# Altium PCB PCB_CAR.PcbDoc (part 1 of 3) (continued)
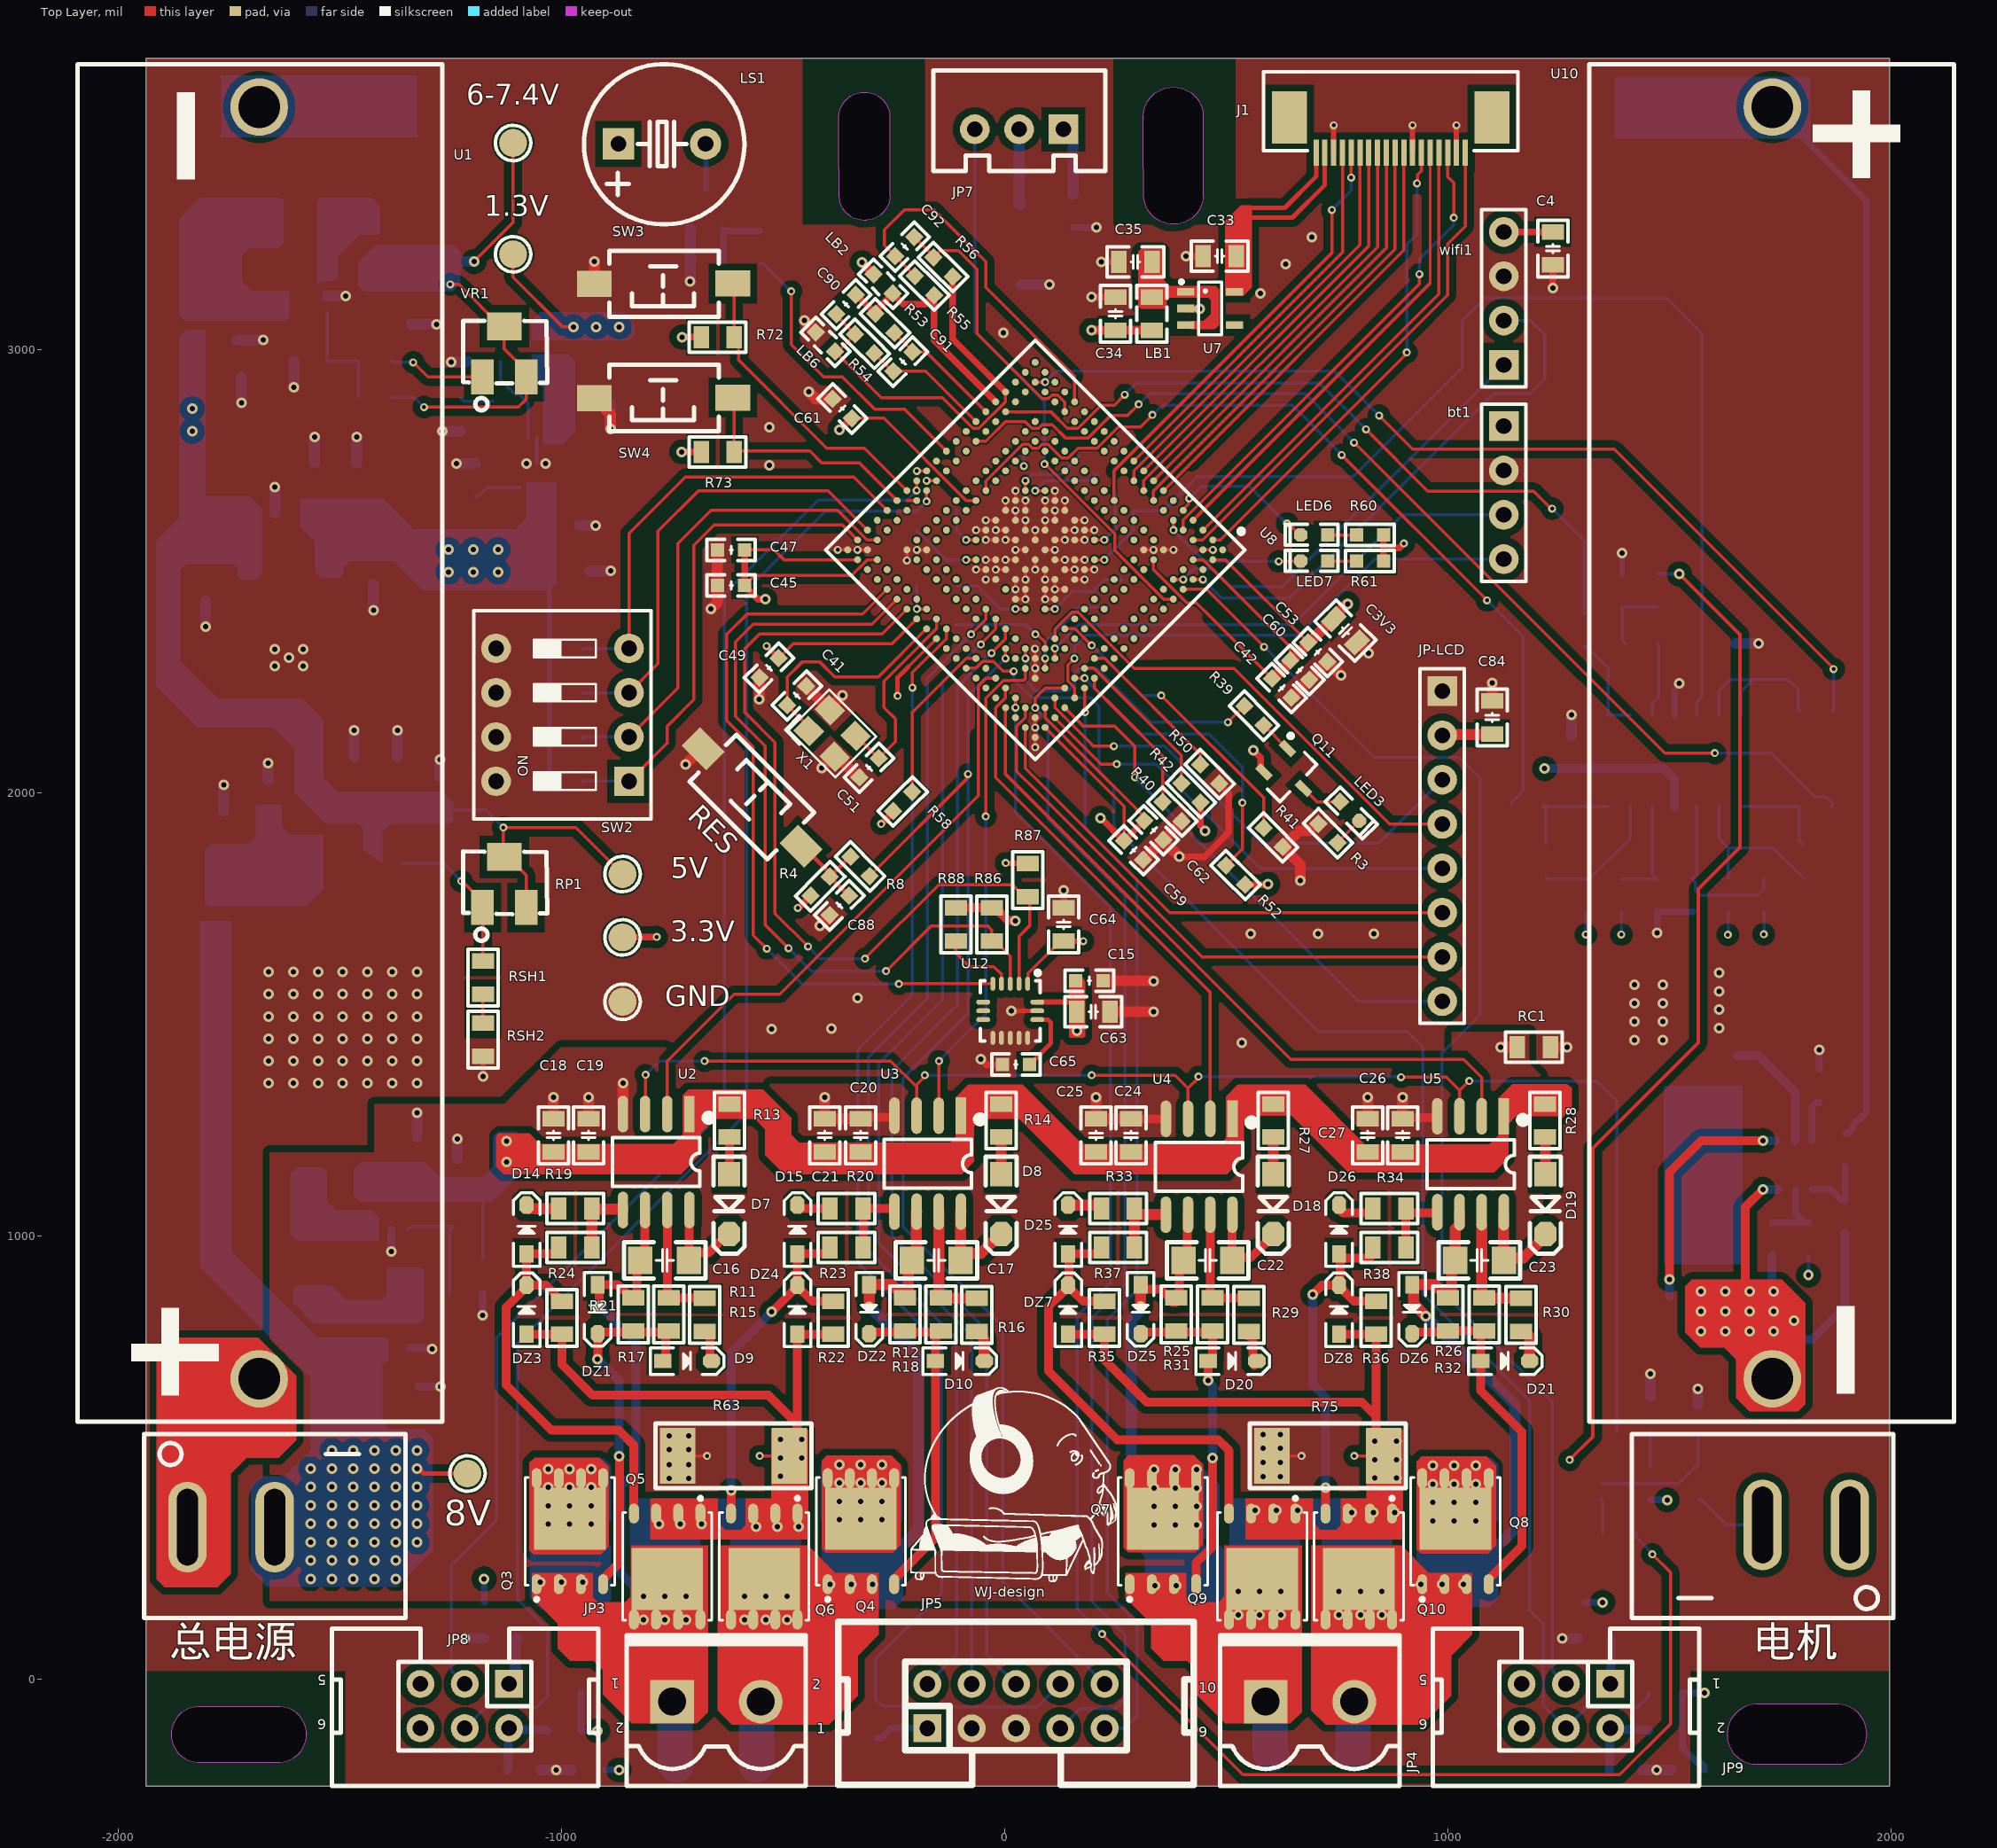
[diagram p0: Top Layer view]
## Classes and differential pairs
component class TC377TP_2: R58
component class TC377TP_1: 1.3V 3.3V C3V3 C41 C42 C43 C44 C45 C46 C47 C48 C49 C50 C51 C52 C53 C54 C55 C56 C57 C58 C59 C60 C61 C62 C88 C90 C91 C92 C131 GND JP5 LB2 LB6 LED3 LED6 LED7 Q11 R3 R4 R8 R39 R40 R41 R42 R49 R50 R52 R53 R54 R55 R56 R60 R61 RES U8 X1
component class OTHER: 5V 6-7.4V 8V bt1 C4 C5 C6 C7 C8 C9 C10 C11 C12 C13 C14 C15 C33 C34 C35 C36 C37 C38 C39 C40 C63 C64 C65 C66 C67 C68 C69 C70 C76 C77 C84 C85 C86 D1 D28 IC3 J1 JP7 JP8 JP9 JP-LCD L1 L4 L5 L6 L7 L8 LB1 LB3 LB4 LB5 LS1 mm Q12 R66 R67 R68 R69 R72 R73 R78 R79 R80 R81 R82 R83 R84 R85 R86 R87 R88 R89 R90 R91 R92 RC1 RP1 RSH1 RSH2 SW2 SW3 SW4 U7 U11 U12 U13 V1 VR1 wifi1
component class MOTOR_DRV: C3 C16 C17 C18 C19 C20 C21 C22 C23 C24 C25 C26 C27 C28 C29 C30 C31 C32 D5 D6 D7 D8 D9 D10 D11 D12 D13 D14 D15 D16 D17 D18 D19 D20 D21 D22 D23 D24 D25 D26 D27 DZ1 DZ2 DZ3 DZ4 DZ5 DZ6 DZ7 DZ8 IC1 IC2 JP3 JP4 L2 L3 Q3 Q4 Q5 Q6 Q7 Q8 Q9 Q10 R11 R12 R13 R14 R15 R16 R17 R18 R19 R20 R21 R22 R23 R24 R25 R26 R27 R28 R29 R30 R31 R32 R33 R34 R35 R36 R37 R38 R43 R44 R45 R46 R47 R48 R51 R57 R59 R62 R63 R64 R65 R70 R71 R74 R75 R76 R77 U2 U3 U4 U5 U6 电机
component class BAT: C1 C2 Q1 Q2 R1 R2 R5 R6 R7 R9 R10 TPC1 TPC2 U1 U9 U10 总电源

## Components (designator, comment, footprint, x,y, rotation, side; value= is the part's Value field where it differs from the comment)
1.3V "TEST" "TEST 1.6" -1110,3215.81 r0 top (schematic designator TP5)
3.3V "TEST" "TEST 1.6" -863,1673.98 r0 top (schematic designator TP6)
5V "TEST" "TEST 1.6" -863,1816.95 r0 top (schematic designator TP2)
6-7.4V "TEST" "TEST 1.6" -1110,3467 r0 top (schematic designator TP4)
8V "TEST" "TEST 1.6" -1213,464 r0 top (schematic designator TP3)
bt1 "HDR-1X4" HDR2.54-LI-4P 1125.92,2677.82 r270 top
C1 "104" "C 0805_L" 1731.04,992.85 r90 bottom
C2 "104" "C 0805_L" 1896,1043.6 r90 bottom
C3 "100NF" "C 0805_L" 1279,2092.4 r270 bottom
C3V3 "47UF" "C 0805_L" 768.45,2366.23 r135 top
C4 "100NF" "C 0805_L" 1236.56,3229 r270 top
C5 "22UF" "C 1206_L" -1340.66,3112.99 r270 bottom
C6 "0.1uf" "C 0805_L" -1253.32,3236.98 r90 bottom
C7 "47PF" "C 0805_L" -1422,2893 r180 bottom
C8 "100NF" "C 1206_L" -1763,1905.11 r270 bottom
C9 "10UF" "C 0805_L" -1662,1991 r270 bottom
C10 "22UF" "C 1206_L" -1778.11,2939 r0 bottom
C11 "0.1UF" "C 0805_L" -1732,3059.6 r270 bottom
C12 "100NF" "C 0805_L" -1275,1999.6 r270 bottom
C13 "22UF" "C 1206_L" -1469,2028 r270 bottom
C14 "22UF" "C 1206_L" -1371,2028 r270 bottom
C15 "104" "C 0603_L" 190.58,1576 r0 top
C16 "1UF" "C 1206_L" -768,944.79 r0 top
C17 "1UF" "C 1206_L" -155,944.79 r0 top
C18 "22UF" "C 0805_L" -1019,1227 r270 top
C19 "100NF" "C 0805_L" -939.6,1227 r270 top
C20 "100NF" "C 0805_L" -326,1227 r270 top
C21 "22UF" "C 0805_L" -407,1227 r270 top
C22 "1UF" "C 1206_L" 458,944.79 r0 top
C23 "1UF" "C 1206_L" 1071,944.79 r0 top
C24 "22UF" "C 0805_L" 285,1227 r270 top
C25 "100NF" "C 0805_L" 206,1227 r270 top
C26 "100NF" "C 0805_L" 897.4,1227 r270 top
C27 "22UF" "C 0805_L" 819,1227 r270 top
C28 "22UF" "C 1206_L" -1326.52,1168.64 r90 bottom
C29 "0.1uf" "C 0805_L" -1236.23,1137.09 r90 bottom
C30 "10PF" "C 0603_L" -1214.84,1021.17 r180 bottom
C31 "22UF" "C 1206_L" -1377.57,660.03 r0 bottom
C32 "0.1UF" "C 0805_L" -1344.62,783.97 r270 bottom
C33 "1UF" "C 0805_L" 484.29,3211.57 r180 top
C34 "10UF" "C 0805_L" 249.98,3081.9 r90 top
C35 "1UF" "C 0805_L" 294.4,3199 r180 top
C36 "22UF" "C 1206_L" -1804,2489 r90 bottom
C37 "100NF" "C 0805_L" -1684.95,2632.15 r180 bottom
C38 "100NF" "C 0805_L" -1425,2508 r90 bottom
C39 "22UF" "C 1206_L" -1462.98,2689.94 r270 bottom
C40 "22UF" "C 1206_L" -1558.06,2689.94 r270 bottom
C41 "20PF" "C 0603_L" -469.73,2219.71 r45 top
C42 "104" "C 0603_L" 624.55,2236.65 r315 top
C43 "104" "C 0603_L" -128.17,2445.56 r45 bottom
C44 "104" "C 0603_L" 312,2658.77 r225 bottom
C45 "104" "C 0603_L" -618.12,2468 r180 top
C46 "104" "C 0603_L" 294.45,2480.7 r180 bottom
C47 "104" "C 0603_L" -618.12,2548.7 r180 top
C48 "104" "C 0603_L" 262.45,2420.44 r180 bottom
C49 "104" "C 0603_L" -532.48,2282.46 r225 top
C50 "104" "C 0603_L" -133.79,2357.99 r45 bottom
C51 "20PF" "C 0603_L" -306.68,2056.65 r225 top
C52 "104" "C 0603_L" 229.9,2740.87 r225 bottom
C53 "104" "C 0603_L" 705.89,2317.99 r135 top
C54 "104" "C 0603_L" -229.58,2470.4 r0 bottom
C55 "104" "C 0603_L" 270.95,2699.82 r225 bottom
C56 "104" "C 0603_L" -87.61,2660.87 r225 bottom
C57 "104" "C 0603_L" -229.58,2592.5 r0 bottom
C58 "104" "C 0603_L" 188.85,2781.93 r225 bottom
C59 "104" "C 0603_L" 290.38,1870.62 r315 top
C60 "104" "C 0603_L" 665.28,2277.38 r135 top
C61 "2.2UF" "C 0603_L" -367.07,2867.46 r135 top
C62 "104" "C 0603_L" 335.77,1915.7 r315 top
C63 "2.2UF" "C 0805_L" 199.39,1506 r0 top
C64 "10NF" "C 0805_L" 132.99,1703.4 r270 top
C65 "104" "C 0603_L" 24.99,1387 r0 top
C66 "22UF" "C 1206_L" -992,2501 r0 bottom
C67 "0.1uf" "C 0805_L" -998.42,2604.18 r0 bottom
C68 "22UF" "C 1206_L" -945,2880 r0 bottom
C69 "0.47UF" "C 0805_L" -1176.69,2974.03 r180 bottom
C70 "0.1uf" "C 0805_L" 1610.97,2337 r0 bottom
C76 "104" "C 0805_L" -1085.46,-205.13 r180 bottom
C77 "104" "C 0805_L" -940.06,-205.13 r0 bottom
C84 "100NF" "C 0805_L" 1099.48,2170.27 r90 top
C85 "104" "C 0805_L" 1401.09,-205.13 r180 bottom
C86 "104" "C 0805_L" 1541.09,-205.13 r0 bottom
C88 "104" "C 0603_L" -373.68,1746.29 r45 top
C90 "104" "C 0603_L" -358.63,3102.6 r45 top
C91 "104" "C 0603_L" -230.41,2973.41 r45 top
C92 "104" "C 0603_L" -226.22,3233.2 r225 top
C131 "47UF" "C 0805_L" 42.23,2814.99 r270 bottom
D1 "SS14" SOD-123 -1435.94,3226.73 r270 bottom
D5 "SS34" SMA -327,330.45 r90 bottom
D6 "SS34" SMA -985,332 r90 bottom
D7 "SS14" SOD-123 -622.29,1071.87 r270 top
D8 "SS34" SOD-123 -8.2,1071.87 r270 top
D9 "1N4148" SOD-323 -717,718 r0 top
D10 "1N4148" SOD-323 -101.67,718 r0 top
D11 "SMBJ12" SMA -651,-193 r180 bottom
D12 "SS34" SMA -547,256 r270 bottom
D13 "SS34" SMA -764,256 r270 bottom
D14 "1N4148" SOD-323 -1079.7,1014.96 r90 top
D15 "1N4148" SOD-323 -468.46,1014.96 r90 top
D16 "SS34" SMA 1015,332 r90 bottom
D17 "SS34" SMA 359,330.45 r90 bottom
D18 "SS34" SOD-123 605.9,1071.87 r270 top
D19 "SS34" SOD-123 1220,1071.87 r270 top
D20 "1N4148" SOD-323 513.67,718 r0 top
D21 "1N4148" SOD-323 1129,718 r0 top
D22 "SMBJ12" SMA 692,-169 r180 bottom
D23 "SS34" SMA 797,256 r270 bottom
D24 "SS34" SMA 580,256 r270 bottom
D25 "1N4148" SOD-323 142.77,1014.96 r90 top
D26 "1N4148" SOD-323 754,1014.96 r90 top
D27 "SS14" SOD-123 -1499,1129 r0 bottom
D28 "SS14" SMA 35,3238 r90 bottom
DZ1 "BZT52C18" SOD-323 -919,835 r270 top
DZ2 "BZT52C18" SOD-323 -306.33,835 r270 top
DZ3 "BZT52C18" SOD-323 -1079.7,834 r90 top
DZ4 "BZT52C18" SOD-323 -468.46,834 r90 top
DZ5 "BZT52C18" SOD-323 306.33,835 r270 top
DZ6 "BZT52C18" SOD-323 919,835 r270 top
DZ7 "BZT52C18" SOD-323 142.77,834 r90 top
DZ8 "BZT52C18" SOD-323 754,834 r90 top
GND "TEST" "TEST 1.6" -863,1528.69 r0 top (schematic designator TPG)
IC1 "SX1308" SOT23-6N -1384.62,958.97 r0 bottom
IC2 "TL084" SOP14_N 1511,2073 r90 bottom
IC3 "SX1308" SOT23-6N -1584,3122 r270 bottom
J1 "FPC05-18" FPC-05mm-18 863,3547 r0 top
JP3 "HDR-1X2" KF2EDGK5.08-LI-2P -651,-50.83 r0 top
JP4 "HDR-1X2" KF2EDGK5.08-LI-2P 688.55,-50.83 r0 top
JP5 "Header 5X2" IDC2.54-LI-2x5P -175,-111 r0 top
JP7 "HDR-1X3" XH2.54-LI-3P 32,3498 r180 top
JP8 "Header3X2" IDC2.54-LI-2x3P -1119,-10.83 r180 top
JP9 "Header3X2" IDC2.54-LI-2x3P 1366,-10.83 r180 top
JP-LCD "HDR-1X8" HDR2.54-LI-8P 987,1880 r270 top
L1 "10UH" L-SMD-0420 -1588.09,3288.04 r180 bottom
L2 "4.7UF" L-SMD-0420 -1557,957 r270 bottom
L3 "10uH" "L 0805_L" -1421.39,783.93 r90 bottom
L4 "10uH" "L 0805_L" -1822,3059.6 r90 bottom
L5 "10uH" "L 0805_L" -1040.34,3007.78 r90 bottom
L6 "10uH" "L 0805_L" 154,3314 r90 bottom
L7 "10uH" "L 0805_L" -1138,92 r0 bottom
L8 "10uH" "L 0805_L" 1330,92 r0 bottom
LB1 "500R@100MHz" "FB 0805_L" 331.8,3081.9 r90 top
LB2 "500R@100MHz" "FB 0603_L" -274.82,3149.05 r315 top
LB3 "500R@100MHz" "FB 0805_L" -995,-116.83 r0 bottom
LB4 "600R@1KHZ" "L 0805_L" -1770,1730 r90 bottom
LB5 "500R@100MHz" "FB 0805_L" 1490.55,-116.83 r0 bottom
LB6 "500R@100MHz" "FB 0603_L" -405.07,3017.95 r135 top
LED3 "红色" "LED 0603Y" 777.8,1958.63 r315 top
LED6 "红色" "LED 0603Y" 697.89,2582.68 r180 top
LED7 "红色" "LED 0603Y" 697.89,2523.75 r180 top
LS1 "DC5V" "BEEP 5x9x5.5" -774,3465 r270 top
Q1 "IRFH7440TRPBF" PQFN-8P_L5.8-W4.9-P1.27-LS6.0-BL 1575.35,1012.31 r180 bottom
Q2 "IRFH7440TRPBF" PQFN-8P_L5.8-W4.9-P1.27-LS6.0-BL 1576.69,1258.94 r0 bottom
Q3 "IRFH7440TRPBF" PQFN-8P_L5.8-W4.9-P1.27-LS6.0-BL -982.31,362.31 r0 top
Q4 "IRFH7440TRPBF" PQFN-8P_L5.8-W4.9-P1.27-LS6.0-BL -325.31,362.31 r0 top
Q5 "IRFH7440TRPBF" PQFN-8P_L5.8-W4.9-P1.27-LS6.0-BL -761.92,225.62 r180 top
Q6 "IRFH7440TRPBF" PQFN-8P_L5.8-W4.9-P1.27-LS6.0-BL -542.92,225.62 r180 top
Q7 "IRFH7440TRPBF" PQFN-8P_L5.8-W4.9-P1.27-LS6.0-BL 356.35,362.31 r0 top
Q8 "IRFH7440TRPBF" PQFN-8P_L5.8-W4.9-P1.27-LS6.0-BL 1016.69,362.31 r0 top
Q9 "IRFH7440TRPBF" PQFN-8P_L5.8-W4.9-P1.27-LS6.0-BL 580.81,225.62 r180 top
Q10 "IRFH7440TRPBF" PQFN-8P_L5.8-W4.9-P1.27-LS6.0-BL 798.95,225.62 r180 top
Q11 "MMBT5401-C8326" SOT23-3L 642.76,2041.76 r225 top
Q12 "MMBT5551" SOT23-3L -674,3318 r180 bottom
R1 "10K" "R 0805_L" 1473.4,2456.99 r270 bottom
R2 "330R" "R 0805_L" 1813.37,992.85 r270 bottom
R3 "1K" "R 0603_L" 729.24,1909.1 r315 top
R4 "10K" "R 0603_L" -416.81,1789.42 r225 top
R5 "10K" "R 0805_L" 1438,2337 r180 bottom
R6 "100R" "R 0805_L" 1307,2367 r270 bottom
R7 "10K" "R 0805_L" 1393,2456.99 r90 bottom
R8 "500R" "R 0603_L" -326.8,1834.34 r315 top
R9 "330R" "R 0805_L" 1896,1194.4 r90 bottom
R10 "1K" "R 0805_L" 1838.34,1339.36 r90 bottom
R11 "10R" "R 0805_L" -758.5,823 r270 top
R12 "10R" "R 0805_L" -144.95,823 r270 top
R13 "2.2R" "R 0805_L" -621.87,1260.66 r270 top
R14 "2.2R" "R 0805_L" -8.25,1260.66 r270 top
R15 "5.1R" "R 0805_L" -678,822 r270 top
R16 "5.1R" "R 0805_L" -63.9,822 r270 top
R17 "20K" "R 0805_L" -839,823 r270 top
R18 "20K" "R 0805_L" -226,823 r270 top
R19 "5.1R" "R 0805_L" -969.6,1062 r180 top
R20 "5.1R" "R 0805_L" -357.27,1062 r180 top
R21 "20K" "R 0805_L" -1000,815.5 r90 top
R22 "20K" "R 0805_L" -387.53,815.5 r90 top
R23 "10R" "R 0805_L" -357.27,974 r180 top
R24 "10R" "R 0805_L" -969.6,974 r180 top
R25 "10R" "R 0805_L" 468.6,823 r270 top
R26 "10R" "R 0805_L" 1082.16,823 r270 top
R27 "2.2R" "R 0805_L" 605.38,1260.66 r270 top
R28 "2.2R" "R 0805_L" 1219,1260.66 r270 top
R29 "5.1R" "R 0805_L" 550.21,822 r270 top
R30 "5.1R" "R 0805_L" 1164.31,822 r270 top
R31 "20K" "R 0805_L" 387,823 r270 top
R32 "20K" "R 0805_L" 1000,823 r270 top
R33 "5.1R" "R 0805_L" 255.06,1062 r180 top
R34 "5.1R" "R 0805_L" 867.4,1062 r180 top
R35 "20K" "R 0805_L" 224.93,815.5 r90 top
R36 "20K" "R 0805_L" 837.4,815.5 r90 top
R37 "10R" "R 0805_L" 255.06,974 r180 top
R38 "10R" "R 0805_L" 867.4,974 r180 top
R39 "10K" "R 0603_L" 562.16,2174.26 r135 top
R40 "10K" "R 0603_L" 377.41,1957.75 r315 top
R41 "10K" "R 0603_L" 605.3,1899.57 r315 top
R42 "10K" "R 0603_L" 419.84,2000.18 r315 top
R43 "47K" "R 0805_L" -1216.05,949.03 r180 bottom
R44 "2K" "R 0805_L" -1216.05,868.97 r0 bottom
R45 "1K" "R 0805_L" 1387,328 r0 bottom
R46 "1K" "R 0805_L" 1418.97,558.29 r180 bottom
R47 "10K" "R 0805_L" 1418.97,638.29 r0 bottom
R48 "1K" "R 0805_L" 1564.75,441.69 r270 bottom
R49 "10K" "R 0805_L" -288,-96.22 r270 bottom
R50 "10K" "R 0603_L" 462.26,2042.6 r315 top
R51 "50K" "R 0805_L" 1471.9,1769 r90 bottom
R52 "10K" "R 0603_L" 520.45,1814.72 r315 top
R53 "0R" "R 0603_L" -270.72,3060.04 r315 top
R54 "0R" "R 0603_L" -316.61,3013.78 r135 top
R55 "0R" "R 0603_L" -181.45,3145.17 r135 top
R56 "0R" "R 0603_L" -139.62,3187.01 r315 top
R57 "1K" "R 0805_L" 1391.53,1769 r270 bottom
R58 "10K" "R 0603_L" -230.73,1980.71 r225 top
R59 "20K" "R 0805_L" 1564.75,583 r90 bottom
R60 "1K" "R 0603_L" 823.89,2582.3 r0 top
R61 "1K" "R 0603_L" 823.89,2523.37 r0 top
R62 "100R" "R 0805_L" 1179.41,1970 r0 bottom
R63 "10mR" "R 2512_M" -613,504 r0 top
R64 "1K" "R 0805_L" 1311.74,1768.16 r270 bottom
R65 "50K" "R 0805_L" 1220.26,1846.86 r270 bottom
R66 "10K" "R 0805_L" -990.8,2024.26 r0 bottom
R67 "10K" "R 0805_L" -990.8,2124.26 r0 bottom
R68 "10K" "R 0805_L" -990.8,2224.26 r0 bottom
R69 "10K" "R 0805_L" -990.8,2324.26 r0 bottom
R70 "50K" "R 0805_L" 1552.27,1769 r90 bottom
R71 "1K" "R 0805_L" 1713,1769 r270 bottom
R72 "10K" "R 0805_L" -648.18,3028.93 r0 top
R73 "10K" "R 0805_L" -648.18,2769.26 r0 top
R74 "100R" "R 0805_L" 1830.26,1970 r180 bottom
R75 "10mR" "R 2512_M" 729,504 r0 top
R76 "1K" "R 0805_L" 1632.63,1769 r270 bottom
R77 "50K" "R 0805_L" 1800.26,1846.86 r270 bottom
R78 "1K" "R 0805_L" -553,3231 r270 bottom
R79 "10K" "R 0805_L" -672,3202 r180 bottom
R80 "100R" "R 0805_L" -1422,2974 r180 bottom
R81 "10K" "R 0805_L" -1212,173.38 r0 bottom
R82 "10K" "R 0805_L" -995,-30.83 r0 bottom
R83 "10K" "R 0805_L" 1272.16,173.38 r0 bottom
R84 "10K" "R 0805_L" 1490.55,-30.83 r0 bottom
R85 "1K" "R 0805_L" -1567,2974 r180 bottom
R86 "4.7K" "R 0805_L" -29.67,1703.4 r90 top
R87 "4.7K" "R 0805_L" 51.66,1803.4 r90 top
R88 "10K" "R 0805_L" -111.01,1703.4 r270 top
R89 "200K/0R" "R 0805_L" -1195,2707 r90 bottom
R90 "12K" "R 0805_L" -1118,2884 r180 bottom
R91 "500R" "R 0805_L" -1229,2854 r270 bottom
R92 "100R" "R 0805_L" 1830.26,2184.59 r180 bottom
RC1 "0R" "R 0805_L" 1194.12,1426.45 r180 top
RES "3x6x5" "TSW SMD-3*6*2.5" -569.45,1989.2 r315 top (schematic designator SW1)
RP1 "50K" RES-ADJ-SMD_3224W -1129.13,1794 r0 top
RSH1 "100R" "R 0805_L" -1178.17,1583.06 r270 top
RSH2 "3K" "R 0805_L" -1178.17,1443.06 r270 top
SW2 "CSW-4P" "CSW DIP-4P" -998.42,2176.37 r90 top
SW3 "3x6x5" "TSW SMD-3*6*2.5" -771.58,3149.05 r180 top
SW4 "3x6x5" "TSW SMD-3*6*2.5" -771.58,2891.26 r180 top
TPC1 "TEST" "TEST 1.6" -1512.44,3547 r90 bottom
TPC2 "TEST" "TEST 1.6" 1534.61,3547 r90 bottom
U1 "18650 电池盒 插件 1节" BAT-TH_18650-C9900004923 -1694.61,2126.46 r90 top locked
U2 "IR2104" SOP8_M -787,1167 r270 top
U3 "IR2104" SOP8_M -174.33,1163.39 r270 top
U4 "IR2104" SOP8_M 438.33,1156.39 r270 top
U5 "IR2104" SOP8_M 1051,1162 r270 top
U6 "SN74AHC1G08DBVRG4" SOT23-5L 1401.09,441.69 r90 bottom
U7 "LP5907MFX-3.3/NOPB" SOT23-5L 463.29,3093.57 r270 top
U8 "SAL-TC377TP-96F300S AA" BGA292C80P20X20 68.28,2548.7 r225 top
U9 "TC2120-CB" SOT23-6L 1784.04,1160.25 r0 bottom
U10 "18650 电池盒 插件 1节" BAT-TH_18650-C9900004923 1743.61,2099.46 r270 top locked
U11 "LT1963EQ#PBF" DD-PAK-5-leda -1500,1551 r90 bottom
U12 "ICM-20602" LGA-16_L3.0-W3.0-P0.50-BL 12.57,1500.86 r180 top
U13 "LT3045EDD#PBF_C666574" LT3045EDD#PBF -1054,2745 r270 bottom
V1 "LT1963-3.3V" SOT223_L -1614,2420.21 r270 bottom
VR1 "50k" RES-ADJ-SMD_3224W -1129.13,2991.59 r0 top
wifi1 "HDR-1X4" HDR2.54-LI-4P 1125.92,3116.22 r90 top
X1 "20M" "OSC 3225-4P" -389.67,2134.37 r315 top
总电源 "6x6x5" KEY-TH_CN-KCD11 -1708.15,343 r0 top (schematic designator SP)
电机 "6x6x5" KEY-TH_CN-KCD11 1770,348 r180 top (schematic designator S2)

## Footprints (in the part's own frame and the unit in brackets; to place one, negate y for a bottom-side part, rotate by r counter-clockwise, add the part's x,y. Pads: shape width x height; smd on the part's side, far side on the other; paste and mask are expansions set on the pad)
BAT-TH_18650-C9900004923 [mm]
  round 3.3 hole 2.4: 1(-36.793,-0.295) 2(36.107,-0.295)
  silkscreen extent -39.24,-10.8 38.56,10.11
"BEEP 5x9x5.5" [mm] "5*9*5.5mm(脚距,直径,高度)"
  rect 1.8x1.8 hole 0.9: 1(0,-2.5)
  round 1.8 hole 0.9: 2(0,2.5)
  silkscreen extent -4.57,-4.47 4.62,4.73, body extent -4.5,-4.5 4.5,4.5, height 5.45
BGA292C80P20X20 [mm] "BGA,0.80mm pitch,square;292 pin,20 columns X 20 rows,17.00mm X 17.00mm X 1.70mm H"
  round 0.4 smd paste+0 mask+0: A1(-7.6,7.6) A2(-6.8,7.6) A3(-6,7.6) A4(-5.2,7.6) A5(-4.4,7.6) A6(-3.6,7.6) A7(-2.8,7.6) A8(-2,7.6) A9(-1.2,7.6) A10(-0.4,7.6) A11(0.4,7.6) A12(1.2,7.6) A13(2,7.6) A14(2.8,7.6) A15(3.6,7.6) A16(4.4,7.6) A17(5.2,7.6) A18(6,7.6) A19(6.8,7.6) A20(7.6,7.6) B1(-7.6,6.8) B2(-6.8,6.8) B3(-6,6.8) B4(-5.2,6.8) B5(-4.4,6.8) B6(-3.6,6.8) B7(-2.8,6.8) B8(-2,6.8) B9(-1.2,6.8) B10(-0.4,6.8) B11(0.4,6.8) B12(1.2,6.8) B13(2,6.8) B14(2.8,6.8) B15(3.6,6.8) B16(4.4,6.8) B17(5.2,6.8) B18(6,6.8) B19(6.8,6.8) B20(7.6,6.8) C1(-7.6,6) C2(-6.8,6) C19(6.8,6) C20(7.6,6) D1(-7.6,5.2) D2(-6.8,5.2) D4(-5.2,5.2) D5(-4.4,5.2) D6(-3.6,5.2) D7(-2.8,5.2) D8(-2,5.2) D9(-1.2,5.2) D10(-0.4,5.2) D11(0.4,5.2) D12(1.2,5.2) D13(2,5.2) D14(2.8,5.2) D15(3.6,5.2) D16(4.4,5.2) D17(5.2,5.2) D19(6.8,5.2) D20(7.6,5.2) E1(-7.6,4.4) E2(-6.8,4.4) E4(-5.2,4.4) E5(-4.4,4.4) E6(-3.6,4.4) E7(-2.8,4.4) E8(-2,4.4) E9(-1.2,4.4) E10(-0.4,4.4) E11(0.4,4.4) E12(1.2,4.4) E13(2,4.4) E14(2.8,4.4) E15(3.6,4.4) E16(4.4,4.4) E17(5.2,4.4) E19(6.8,4.4) E20(7.6,4.4) F1(-7.6,3.6) F2(-6.8,3.6) F4(-5.2,3.6) F5(-4.4,3.6) F16(4.4,3.6) F17(5.2,3.6) F19(6.8,3.6) F20(7.6,3.6) G1(-7.6,2.8) G2(-6.8,2.8) G4(-5.2,2.8) G5(-4.4,2.8) G8(-2,2.8) G9(-1.2,2.8) G10(-0.4,2.8) G11(0.4,2.8) G12(1.2,2.8) G13(2,2.8) G16(4.4,2.8) G17(5.2,2.8) G19(6.8,2.8) G20(7.6,2.8) H1(-7.6,2) H2(-6.8,2) H4(-5.2,2) H5(-4.4,2) H7(-2.8,2) H9(-1.2,2) H10(-0.4,2) H11(0.4,2) H12(1.2,2) H14(2.8,2) H16(4.4,2) H17(5.2,2) H19(6.8,2) H20(7.6,2) J1(-7.6,1.2) J2(-6.8,1.2) J4(-5.2,1.2) J5(-4.4,1.2) J7(-2.8,1.2) J8(-2,1.2) J10(-0.4,1.2) J11(0.4,1.2) J13(2,1.2) J14(2.8,1.2) J16(4.4,1.2) J17(5.2,1.2) J19(6.8,1.2) J20(7.6,1.2) K1(-7.6,0.4) K2(-6.8,0.4) K4(-5.2,0.4) K5(-4.4,0.4) K7(-2.8,0.4) K8(-2,0.4) K9(-1.2,0.4) K10(-0.4,0.4) K11(0.4,0.4) K12(1.2,0.4) K13(2,0.4) K14(2.8,0.4) K16(4.4,0.4) K17(5.2,0.4) K19(6.8,0.4) K20(7.6,0.4) L1(-7.6,-0.4) L2(-6.8,-0.4) L4(-5.2,-0.4) L5(-4.4,-0.4) L7(-2.8,-0.4) L8(-2,-0.4) L9(-1.2,-0.4) L10(-0.4,-0.4) L11(0.4,-0.4) L12(1.2,-0.4) L13(2,-0.4) L14(2.8,-0.4) L16(4.4,-0.4) L17(5.2,-0.4) L19(6.8,-0.4) L20(7.6,-0.4) M1(-7.6,-1.2) M2(-6.8,-1.2) M4(-5.2,-1.2) M5(-4.4,-1.2) M7(-2.8,-1.2) M8(-2,-1.2) M10(-0.4,-1.2) M11(0.4,-1.2) M13(2,-1.2) M14(2.8,-1.2) M16(4.4,-1.2) M17(5.2,-1.2) M19(6.8,-1.2) M20(7.6,-1.2) N1(-7.6,-2) N2(-6.8,-2) N4(-5.2,-2) N5(-4.4,-2) N7(-2.8,-2) N9(-1.2,-2) N10(-0.4,-2) N11(0.4,-2) N12(1.2,-2) N14(2.8,-2) N16(4.4,-2) N17(5.2,-2) N19(6.8,-2) N20(7.6,-2) P1(-7.6,-2.8) P2(-6.8,-2.8) P4(-5.2,-2.8) P5(-4.4,-2.8) P8(-2,-2.8) P9(-1.2,-2.8) P10(-0.4,-2.8) P11(0.4,-2.8) P12(1.2,-2.8) P13(2,-2.8) P16(4.4,-2.8) P17(5.2,-2.8) P19(6.8,-2.8) P20(7.6,-2.8) R1(-7.6,-3.6) R2(-6.8,-3.6) R4(-5.2,-3.6) R5(-4.4,-3.6) R16(4.4,-3.6) R17(5.2,-3.6) R19(6.8,-3.6) R20(7.6,-3.6) T1(-7.6,-4.4) T2(-6.8,-4.4) T4(-5.2,-4.4) T5(-4.4,-4.4) T6(-3.6,-4.4) T7(-2.8,-4.4) T8(-2,-4.4) T9(-1.2,-4.4) T10(-0.4,-4.4) T11(0.4,-4.4) T12(1.2,-4.4) T13(2,-4.4) T14(2.8,-4.4) T15(3.6,-4.4) T16(4.4,-4.4) T17(5.2,-4.4) T19(6.8,-4.4) T20(7.6,-4.4) U1(-7.6,-5.2) U2(-6.8,-5.2) U4(-5.2,-5.2) U5(-4.4,-5.2) U6(-3.6,-5.2) U7(-2.8,-5.2) U8(-2,-5.2) U9(-1.2,-5.2) U10(-0.4,-5.2) U11(0.4,-5.2) U12(1.2,-5.2) U13(2,-5.2) U14(2.8,-5.2) U15(3.6,-5.2) U16(4.4,-5.2) U17(5.2,-5.2) U19(6.8,-5.2) U20(7.6,-5.2) V1(-7.6,-6) V2(-6.8,-6) V19(6.8,-6) V20(7.6,-6) W1(-7.6,-6.8) W2(-6.8,-6.8) W3(-6,-6.8) W4(-5.2,-6.8) W5(-4.4,-6.8) W6(-3.6,-6.8) W7(-2.8,-6.8) W8(-2,-6.8) W9(-1.2,-6.8) W10(-0.4,-6.8) W11(0.4,-6.8) W12(1.2,-6.8) W13(2,-6.8) W14(2.8,-6.8) W15(3.6,-6.8) W16(4.4,-6.8) W17(5.2,-6.8) W18(6,-6.8) W19(6.8,-6.8) W20(7.6,-6.8) Y1(-7.6,-7.6) Y2(-6.8,-7.6) Y3(-6,-7.6) Y4(-5.2,-7.6) Y5(-4.4,-7.6) Y6(-3.6,-7.6) Y7(-2.8,-7.6) Y8(-2,-7.6) Y9(-1.2,-7.6) Y10(-0.4,-7.6) Y11(0.4,-7.6) Y12(1.2,-7.6) Y13(2,-7.6) Y14(2.8,-7.6) Y15(3.6,-7.6) Y16(4.4,-7.6) Y17(5.2,-7.6) Y18(6,-7.6) Y19(6.8,-7.6) Y20(7.6,-7.6)
  silkscreen extent -9.22,-8.5 8.5,8.5, body extent -8.52,-8.52 8.48,8.48, height 1.71
"C 0603_L" [mil] "无极性贴片电容"
  rect 30x30 smd: 1(-30.59,0) 2(30.59,0)
  silkscreen extent -55,-24 55,24, body extent -31,-16 31,16, height 32
"C 0805_L" [mil] "无极性贴片电容"
  rect 35x50 smd: 1(-37.4,0) 2(37.4,0)
  silkscreen extent -64,-34 64,34, body extent -39,-24 39,24, height 20
"C 1206_L" [mil] "无极性贴片电容"
  rect 55x62 smd: 1(-55.12,0) 2(55.12,0)
  silkscreen extent -92,-41 92,41, body extent -63,-32 63,32, height 48
"CSW DIP-4P" [mm] "11.7*9.9*7mm"
  rect 1.7x1.7 hole 0.9: 1(-3.81,-3.81)
  round 1.7 hole 0.9: 2(-1.27,-3.81) 3(1.27,-3.81) 4(3.81,-3.81) 5(3.81,3.81) 6(1.27,3.81) 7(-1.27,3.81) 8(-3.81,3.81)
  silkscreen extent -5.97,-5.08 5.97,5.08, body extent -5.86,-4.95 5.86,4.95, height 6.65
DD-PAK-5-leda [mm]
  rect 3x1.1 smd: 1(7.381,-3.234) 2(7.381,-1.534) 3(7.381,0.166) 4(7.381,1.866) 5(7.381,3.566)
  rect 8.255x10.668 smd: 6(-1.968,0.166)
  silkscreen extent -4.52,-5.33 7.66,5.67
"FB 0603_L" [mil] "小功率贴片磁珠"
  rect 30x30 smd: 1(-30.59,0) 2(30.59,0)
  silkscreen extent -55,-24 55,24, body extent -31,-16 32,16, height 31
"FB 0805_L" [mil] "小功率贴片磁珠"
  rect 35x50 smd: 1(-37.4,0) 2(37.4,0)
  silkscreen extent -64,-34 64,34, body extent -39,-24 39,24, height 35
FPC-05mm-18 [mm]
  rect 2x3 smd: 0(-5.606,-0.579) 0(5.992,-0.579)
  rect 0.305x1.5 smd: 1(4.468,-2.579) 2(3.965,-2.579) 3(3.462,-2.579) 4(2.959,-2.579) 5(2.456,-2.579) 6(1.953,-2.579) 7(1.45,-2.579) 8(0.947,-2.579) 9(0.444,-2.579) 10(-0.059,-2.579) 11(-0.561,-2.579) 12(-1.064,-2.579) 13(-1.567,-2.579) 14(-2.07,-2.579) 15(-2.573,-2.579) 16(-3.076,-2.579) 17(-3.579,-2.579) 18(-4.082,-2.579)
  silkscreen extent -7.11,-2.48 7.49,2.04, body extent -7.02,-2.68 7.41,2.43, height 2.01
HDR2.54-LI-4P [mm] "排针，4脚"
  rect 1.7x1.7 hole 0.9: 1(-3.81,0)
  round 1.7 hole 0.9: 2(-1.27,0) 3(1.27,0) 4(3.81,0)
  silkscreen extent -5.08,-1.27 5.08,1.27, body extent -5.08,-1.27 5.08,1.27, height 8.5
HDR2.54-LI-8P [mm] "排针，8脚"
  rect 1.7x1.7 hole 0.9: 1(-8.89,0)
  round 1.7 hole 0.9: 2(-6.35,0) 3(-3.81,0) 4(-1.27,0) 5(1.27,0) 6(3.81,0) 7(6.35,0) 8(8.89,0)
  silkscreen extent -10.16,-1.27 10.16,1.27, body extent -10.16,-1.27 10.16,1.27, height 8.5
IDC2.54-LI-2x3P [mm] "6P简易牛角座"
  rect 1.6x1.6 hole 0.9: 1(0,0)
  round 1.6 hole 0.9: 2(0,2.54) 3(2.54,0) 4(2.54,2.54) 5(5.08,0) 6(5.08,2.54)
  silkscreen extent -5.11,-3.18 10.16,5.84, body extent -5.08,-3.08 10.16,5.77, height 9.17
IDC2.54-LI-2x5P [mm] "10P简易牛角座"
  rect 1.6x1.6 hole 0.9: 1(0,0)
  round 1.6 hole 0.9: 2(0,2.54) 3(2.54,0) 4(2.54,2.54) 5(5.08,0) 6(5.08,2.54) 7(7.62,0) 8(7.62,2.54) 9(10.16,0) 10(10.16,2.54)
  silkscreen extent -5.11,-3.23 15.27,6.1, body extent -5.08,-3.08 15.24,5.77, height 9.17
KEY-TH_CN-KCD11 [mm]
  oval 2.2x5.2 hole 1.2 slot 4.4 at 90 deg: 1(-3.476,0) 2(1.524,0)
  silkscreen extent -5.97,-5.21 9.02,5.33
KF2EDGK5.08-LI-2P [mm] "立插端子"
  rect 2.5x2.5 hole 1.6: 1(-2.54,0)
  round 2.5 hole 1.6: 2(2.54,0)
  silkscreen extent -5.16,-4.83 5.13,3.81, body extent -5.08,-4.75 5.08,3.75, height 11.25
"L 0805_L" [mil] "小功率贴片电感"
  rect 35x50 smd: 1(-37.4,0) 2(37.4,0)
  silkscreen extent -64,-34 64,34, body extent -39,-24 39,24, height 35
L-SMD-0420 [mm] "一体化成型电感"
  rect 1.5x2.5 smd: 1(-1.75,0) 2(1.75,0)
  silkscreen extent -2.16,-2.16 2.16,2.16, body extent -2.25,-2.05 2.25,2.05, height 2.05
"LED 0603Y" [mil] "黄色0603LED"
  rect 30x30 smd: 1(-30.59,0)
  oct 30x30 smd: 2(30.59,0)
  silkscreen extent -54,-24 65,24, body extent -31,-16 31,16, height 24
LGA-16_L3.0-W3.0-P0.50-BL [mm]
  oval 0.28x0.8 smd: 1(-0.986,-1.739) 2(-0.486,-1.739) 3(0.014,-1.739) 4(0.514,-1.739) 5(1.014,-1.739) 9(1.014,1.36) 10(0.514,1.36) 11(0.014,1.36) 12(-0.486,1.36) 13(-0.986,1.36)
  oval 0.8x0.28 smd: 6(1.564,-0.689) 7(1.564,-0.189) 8(1.564,0.311) 14(-1.536,0.311) 15(-1.536,-0.189) 16(-1.536,-0.689)
  silkscreen extent -1.71,-2.49 1.74,1.54
LT3045EDD#PBF [mm]
  rect 0.65x0.25 smd: 1(1.422,-0.941) 2(1.422,-0.441) 3(1.422,0.059) 4(1.422,0.559) 5(1.422,1.059) 6(-1.401,1.059) 7(-1.401,0.559) 8(-1.401,0.059) 9(-1.401,-0.441) 10(-1.401,-0.941)
  rect 1.2x2 smd: 11(0.011,0.059)
  silkscreen extent -1.57,-1.52 2.11,1.64
"OSC 3225-4P" [mm] "3.2*2.5*0.7mm(长宽高)"
  rect 1.3x1.2 smd: 1(-1.05,-0.85) 2(1.05,-0.85) 3(1.05,0.85) 4(-1.05,0.85)
  silkscreen extent -2.03,-1.75 1.9,1.65, body extent -1.6,-1.25 1.6,1.25, height 0.7
PQFN-8P_L5.8-W4.9-P1.27-LS6.0-BL [mm]
  oval 0.567x1.141 smd: 1(-1.897,-3.761) 2(-0.627,-3.761) 3(0.643,-3.761) 4(1.913,-3.761) 5(1.913,2.315) 6(0.643,2.315) 7(-0.627,2.315) 8(-1.897,2.315)
  rect 4.11x3.55 smd: 9(0.008,-0.008)
  silkscreen extent -2.56,-4.73 2.57,2.37
"R 0603_L" [mil] "1/10W贴片电阻"
  rect 30x30 smd: 1(-30.59,0) 2(30.59,0)
  silkscreen extent -55,-24 55,24, body extent -31,-16 32,16, height 16
"R 0805_L" [mil] "1/8W贴片电阻"
  rect 35x50 smd: 1(-37.4,0) 2(37.4,0)
  silkscreen extent -64,-34 64,34, body extent -39,-25 39,25, height 20
"R 2512_M" [mm] "1W贴片电阻"
  rect 2.032x3.2 smd: 1(-3.2,0) 2(3.2,0)
  silkscreen extent -4.47,-1.85 4.47,1.85, body extent -3.2,-1.6 3.2,1.6, height 0.55
RES-ADJ-SMD_3224W [mm]
  rect 1.3x2 smd: 1(-1.267,-1.336) 3(1.233,-1.336)
  rect 2x1.6 smd: 2(-0.017,1.564)
  silkscreen extent -2.38,-3.25 2.45,1.88
SMA [mm] "4.5x2.6*2.2mm（长宽高，不包括引脚）"
  rect 2.2x1.75 smd: 1(-2.3,0) 2(2.3,0)
  silkscreen extent -2.7,-1.52 3.56,1.52, body extent -2.52,-1.3 2.57,1.3, height 2.15
SOD-123 [mil] "2.7x1.6X1.1mm（长宽高，不包括引脚）"
  rect 55x50 smd: 1(-67.5,0)
  oct 55x50 smd: 2(67.5,0)
  silkscreen extent -108,-35 112,35, body extent -73,-31 73,31, height 48
SOD-323 [mm] "1.8x1.3X0.9mm（长宽高，不包括引脚）"
  rect 1x0.8 smd: 1(-1.4,0)
  oct 1x0.8 smd: 2(1.4,0)
  silkscreen extent -2.11,-0.76 2.11,0.76, body extent -1.34,-0.63 1.31,0.67, height 1
SOP8_M [mm] "5*6*1.8mm（长宽高）"
  rect 2.1x0.6 smd: 1(-2.75,1.905)
  oval 2.1x0.6 smd: 2(-2.75,0.635) 3(-2.75,-0.635) 4(-2.75,-1.905) 5(2.75,-1.905) 6(2.75,-0.635) 7(2.75,0.635) 8(2.75,1.905)
  silkscreen extent -2.69,-2.5 1.4,3.15, body extent -3,-2.5 3,2.5, height 1.9
SOP14_N [mm] "8.7*6.2*1.8mm（长宽高）"
  rect 1.8x0.55 smd: 1(-2.625,3.81)
  oval 1.8x0.55 smd: 2(-2.625,2.54) 3(-2.625,1.27) 4(-2.625,0) 5(-2.625,-1.27) 6(-2.625,-2.54) 7(-2.625,-3.81) 8(2.625,-3.81) 9(2.625,-2.54) 10(2.625,-1.27) 11(2.625,0) 12(2.625,1.27) 13(2.625,2.54) 14(2.625,3.81)
  silkscreen extent -2.67,-4.06 1.31,5.21, body extent -3,-4.35 3,4.35, height 1.9
SOT23-3L [mm] "3x1.3x1mm(长宽高)"
  rect 0.45x1 smd: 1(-0.95,-1.143) 2(0.95,-1.143) 3(0,1.125)
  silkscreen extent -1.72,-1.65 1.5,0.7, body extent -1.5,-1.2 1.5,1.2, height 1.05
SOT23-5L [mm] "3x1.6x1.1mm(长宽高)"
  rect 0.45x1 smd: 1(-0.95,-1.4) 2(0,-1.4) 3(0.95,-1.4) 4(0.95,1.4) 5(-0.95,1.4)
  silkscreen extent -1.6,-1.73 1.5,0.66, body extent -1.5,-1.4 1.5,1.4, height 1.15
SOT23-6L [mm] "3x1.6x1.1mm(长宽高)"
  rect 0.45x1 smd: 1(-0.95,-1.397) 2(0,-1.397) 3(0.95,-1.397) 4(0.95,1.397) 5(0,1.397) 6(-0.95,1.397)
  silkscreen extent -1.77,-1.78 1.55,0.51, body extent -1.5,-1.4 1.5,1.4, height 1.15
SOT23-6N [mm] "3x1.6x1.1mm(长宽高)"
  rect 0.5x1.2 smd: 1(-0.95,-1.4) 2(0,-1.4) 3(0.95,-1.4) 4(0.95,1.4) 5(0,1.4) 6(-0.95,1.4)
  silkscreen extent -1.78,-1.78 1.55,0.51, body extent -1.5,-1.4 1.5,1.4, height 1.15
SOT223_L [mm] "SOT223, 4-Leads, Body 6.5x3.5mm, Pitch 2.3mm, Lead Span 7mm, IPC High Density"
  rect 2.1x0.9 smd: 1(-2.85,2.3) 2(-2.85,0) 3(-2.85,-2.3)
  rect 2.1x3.2 smd: 4(2.85,0)
  silkscreen extent -2.97,-3.35 1.5,3.42, body extent -1.85,-3.35 1.85,3.35, height 1.7
"TEST 1.6" [mm] "测试点1.6mm"
  round 1.6 smd paste-1.6: 1(0,0)
  silkscreen extent -1.01,-1.02 1.02,1.02
"TSW SMD-3*6*2.5" [mm] "3*6*2.5mm"
  rect 2x1.5 smd: 1(-3.996,-0.02) 2(3.937,0)
  silkscreen extent -3.21,-1.9 3.09,1.9, body extent -4,-1.88 4,1.62, height 2.59
XH2.54-LI-3P [mm] "接插件，3P"
  rect 1.7x1.7 hole 0.9: 1(-2.54,0)
  round 1.7 hole 0.9: 2(0,0) 3(2.54,0)
  silkscreen extent -4.95,-3.38 4.93,2.39, body extent -5.04,-3.3 5.04,2.4, height 7.03

## Part data
1.3V 3.3V 5V 6-7.4V 8V GND TPC1 TPC2: "测试点", BOM名称=测试点, 学习资源=www.ooocke.com, 版权归属=源创客
bt1 wifi1: library part "Header 4", "4P接插件", BOM名称=4P接插件, 学习资源=www.ooocke.com, 版权归属=源创客
C1 C2 C3 C3V3 C4 C5 C6 C7 C8 C9 C10 C11 C12 C13 C14 C15 C16 C17 C18 C19 C20 C21 C22 C23 C24 C25 C26 C27 C28 C29 C30 C31 C32 C33 C34 C35 C36 C37 C38 C39 C40 C41 C42 C43 C44 C45 C46 C47 C48 C49 C50 C51 C52 C53 C54 C55 C56 C57 C58 C59 C60 C61 C62 C63 C64 C65 C66 C67 C68 C69 C70 C76 C77 C84 C85 C86 C88 C90 C91 C92 C131: library part C, "无极性贴片电容", BOM名称=无极性贴片电容, 学习资源=www.ooocke.com, 材质=X7R, 版权归属=源创客
D1 D27 D28: library part SS24, "肖特基二极管", BOM名称=肖特基二极管, 学习资源=www.ooocke.com, 属性=40V/2A, 版权归属=源创客
D5 D6 D8 D12 D13 D16 D17 D18 D19 D23 D24: "肖特基二极管", BOM名称=肖特基二极管, 学习资源=www.ooocke.com, 属性=40V/3A, 版权归属=源创客
D7 D11 D22: library part SS34, "肖特基二极管", BOM名称=肖特基二极管, 学习资源=www.ooocke.com, 属性=40V/3A, 版权归属=源创客
D9 D10 D14 D15 D20 D21 D25 D26: "高速开关二极管", BOM名称=高速开关二极管, 学习资源=www.ooocke.com, 版权归属=源创客
DZ1 DZ2 DZ3 DZ4 DZ5 DZ6 DZ7 DZ8: library part 1N4102, "18V稳压管", BOM名称=8.7V/0.5W稳压管, 学习资源=www.ooocke.com, 版权归属=源创客
IC1 IC3: "可调升压芯片", BOM名称=可调升压芯片, 学习资源=www.ooocke.com, 版权归属=源创客
IC2: "4路运放", BOM名称=4路运放, 学习资源=www.ooocke.com, 版权归属=源创客
JP3 JP4: library part "Header 2", "2P接插件", BOM名称=2P接插件, 学习资源=www.ooocke.com, 版权归属=源创客
JP5: "5*2P接插件", BOM名称=5*2P接插件, 学习资源=www.ooocke.com, 版权归属=源创客
JP7: library part "Header 3", "3P接插件", BOM名称=3P接插件, 学习资源=www.ooocke.com, 版权归属=源创客
JP8 JP9: library part "Header 3X2", "3*2P接插件", BOM名称=3*2P接插件, 学习资源=www.ooocke.com, 版权归属=源创客
JP-LCD: library part "Header 8", "8P接插件", BOM名称=8P接插件, 学习资源=www.ooocke.com, 版权归属=源创客
L1 L2: library part L-CDRH, "功率屏蔽电感", BOM名称=功率屏蔽电感, 学习资源=www.ooocke.com, 版权归属=源创客
L3 L4 L5 L6 L7 L8: library part L, "小功率贴片电感", BOM名称=小功率贴片电感, 学习资源=www.ooocke.com, 版权归属=源创客
LB1 LB2 LB3 LB4 LB5 LB6: library part LB, "磁珠", BOM名称=磁珠, 学习资源=www.ooocke.com, 版权归属=源创客
LED3 LED6 LED7: library part LED-SMD, "贴片LED", BOM名称=贴片LED, 学习资源=www.ooocke.com, 版权归属=源创客
LS1: library part BEEP, "蜂鸣器", BOM名称=蜂鸣器, 学习资源=www.ooocke.com, 版权归属=源创客
R1 R2 R3 R4 R5 R6 R7 R8 R9 R10 R11 R12 R13 R14 R15 R16 R17 R18 R19 R20 R21 R22 R23 R24 R25 R26 R27 R28 R29 R30 R31 R32 R33 R34 R35 R36 R37 R38 R39 R40 R41 R42 R43 R44 R45 R46 R47 R48 R49 R50 R51 R52 R53 R54 R55 R56 R57 R58 R59 R60 R61 R62 R63 R64 R65 R66 R67 R68 R69 R70 R71 R72 R73 R74 R75 R76 R77 R78 R79 R80 R81 R82 R83 R84 R85 R86 R87 R88 R89 R90 R91 R92 RC1 RSH1 RSH2: library part R, "贴片电阻", BOM名称=贴片电阻, 学习资源=www.ooocke.com, 版权归属=源创客
RES SW3 SW4: library part "TSW 3x6", "3x6轻触开关", BOM名称=3x6轻触开关, 学习资源=www.ooocke.com, 版权归属=源创客
RP1 VR1: library part 3224W-1-503E
SW2: "4路编码开关", BOM名称=4路编码开关, 学习资源=www.ooocke.com, 版权归属=源创客
U2 U3 U4 U5: library part EG2104
U7: library part LP5907MFX-1.8/NOPB
U8: "32-Bit Single-Chip Microcontroller", Manufacturer="Infineon Technologies", Manufacturer Order Number="SAL-TC377TP-96F300S AA", PackageReference=PG-LFBGA-292-11
U13: BOM_JLCPCB Part Class="Extended Part", BOM_Manufacturer="Analog Devices", BOM_Manufacturer Part=LT3045EDD#PBF, BOM_Supplier=LCSC, BOM_Supplier Part=C666574, Contributor=LCSC, spicePre=U, spiceSymbolName=LT3045EDD#PBF_C666574
V1: library part LM2940, "5V稳压芯片", BOM名称=5V稳压芯片, 学习资源=www.ooocke.com, 版权归属=源创客
X1: library part XTAL-4P, "4脚无源晶振", BOM名称=4脚无源晶振, 学习资源=www.ooocke.com, 版权归属=源创客, 负载电容=CL20pF
总电源 电机: library part "TSW DIP-2Pin-6x6", "2脚直插6x6轻触开关", BOM名称=2脚轻触开关, 学习资源=www.ooocke.com, 版权归属=源创客

## Via types
v1: diameter 24, hole 12, Top Layer to Bottom Layer, 381 vias
v2: diameter 18, hole 9, Top Layer to Bottom Layer, 157 vias

## Nets (pads, with @x,y where several pads share a name; then routed paths per layer and width w, separated by ;. In a path a pad name is that pad's centre, name@x,y a point inside that pad or via, vN(x,y) a via of type N, cw(c..) or ccw(c..) an arc to the next point about the centre after c; other vN are vias at no path point)
1.3V: 1.3V.1 C43.2 C44.2 C46.2 C48.2 C50.2 C52.2 C54.2 C55.2 C56.2 C57.2 C58.2 C70.1 C131.2 IC2.12 L5.2 U8.D16 U8.E15 U8.G8 U8.G13 U8.H7 U8.H14 U8.N7 U8.N14 U8.N19 U8.P8 U8.P13 | length 4541.3
  Top Layer w7: 1.3V.1@-1110,3215.81 -1110,3164 -997.65,3051.65 v1(-973.72,3051.65) ; v2(-198.97,2415.07) U8.N19@-176.7,2415.07 ; v2(-87.61,2526.43) U8.N14@-65.34,2526.43 ; v2(-87.62,2570.97) U8.P13@-65.34,2570.97 ; v2(23.74,2415.07) U8.H14@46.01,2415.07 ; U8.P8@46.01,2682.32 v2(46.01,2704.59) ; v2(68.28,2682.32) U8.N7@90.55,2682.32 ; v2(68.89,2358.3) 70.99,2356.2 75.04,2356.2 90.55,2340.69 U8.E15@90.55,2325.99 ; U8.D16@90.55,2281.44 v2(90.55,2303.72) ; U8.G13@90.55,2415.07 v2(112.82,2415.07) ; U8.G8@201.91,2526.43 v2(224.18,2526.43) ; U8.H7@201.91,2570.97 v2(224.18,2570.97)
  Bottom Layer w7: v2(-198.97,2415.07) C54.2@-198.97,2470.38 ; C57.2@-198.99,2592.5 -132.92,2526.43 v2(-87.61,2526.43) ; C50.2@-112.16,2379.62 47.57,2379.62 v2(68.89,2358.3) ; C56.2@-109.25,2639.24 -109.25,2592.6 v2(-87.62,2570.97) ; C43.2@-106.54,2467.19 -61.79,2467.19 -9.66,2415.07 v2(23.74,2415.07) ; C131.2@42.23,2777.59 42.62,2777.2 v2(42.62,2737.8) ; v2(46.01,2704.59) 60.66,2719.24 126.16,2719.24 C58.2@167.21,2760.3 ; v2(68.28,2682.32) 90.55,2704.59 192,2704.59 206.65,2719.24 C52.2@208.27,2719.24 ; v2(90.55,2303.72) 90.55,2340.64 168.42,2418.51 229.93,2418.51 C48.2@231.86,2420.44 ; v2(112.82,2415.07) 152.18,2454.43 198.33,2454.43 224.61,2480.7 C46.2@263.86,2480.7 ; v2(224.18,2526.43) 290.37,2592.62 C44.2@290.37,2637.14 357.44,2637.14 434.24,2713.94 786.28,2713.94 1032.61,2960.26 1032.61,3066.22 1083.2,3116.81 1493.1,3116.81 1573.56,3036.35 C70.1@1573.56,2337 1573.56,2217.48 1561,2204.92 IC2.12@1561,2176.34 ; v2(224.18,2570.97) 249.32,2596.11 C55.2@249.32,2678.19
  other v1: -922.22,3051.65 -870.72,3051.65